# KiCad board USB Cable Tester.kicad_pcb
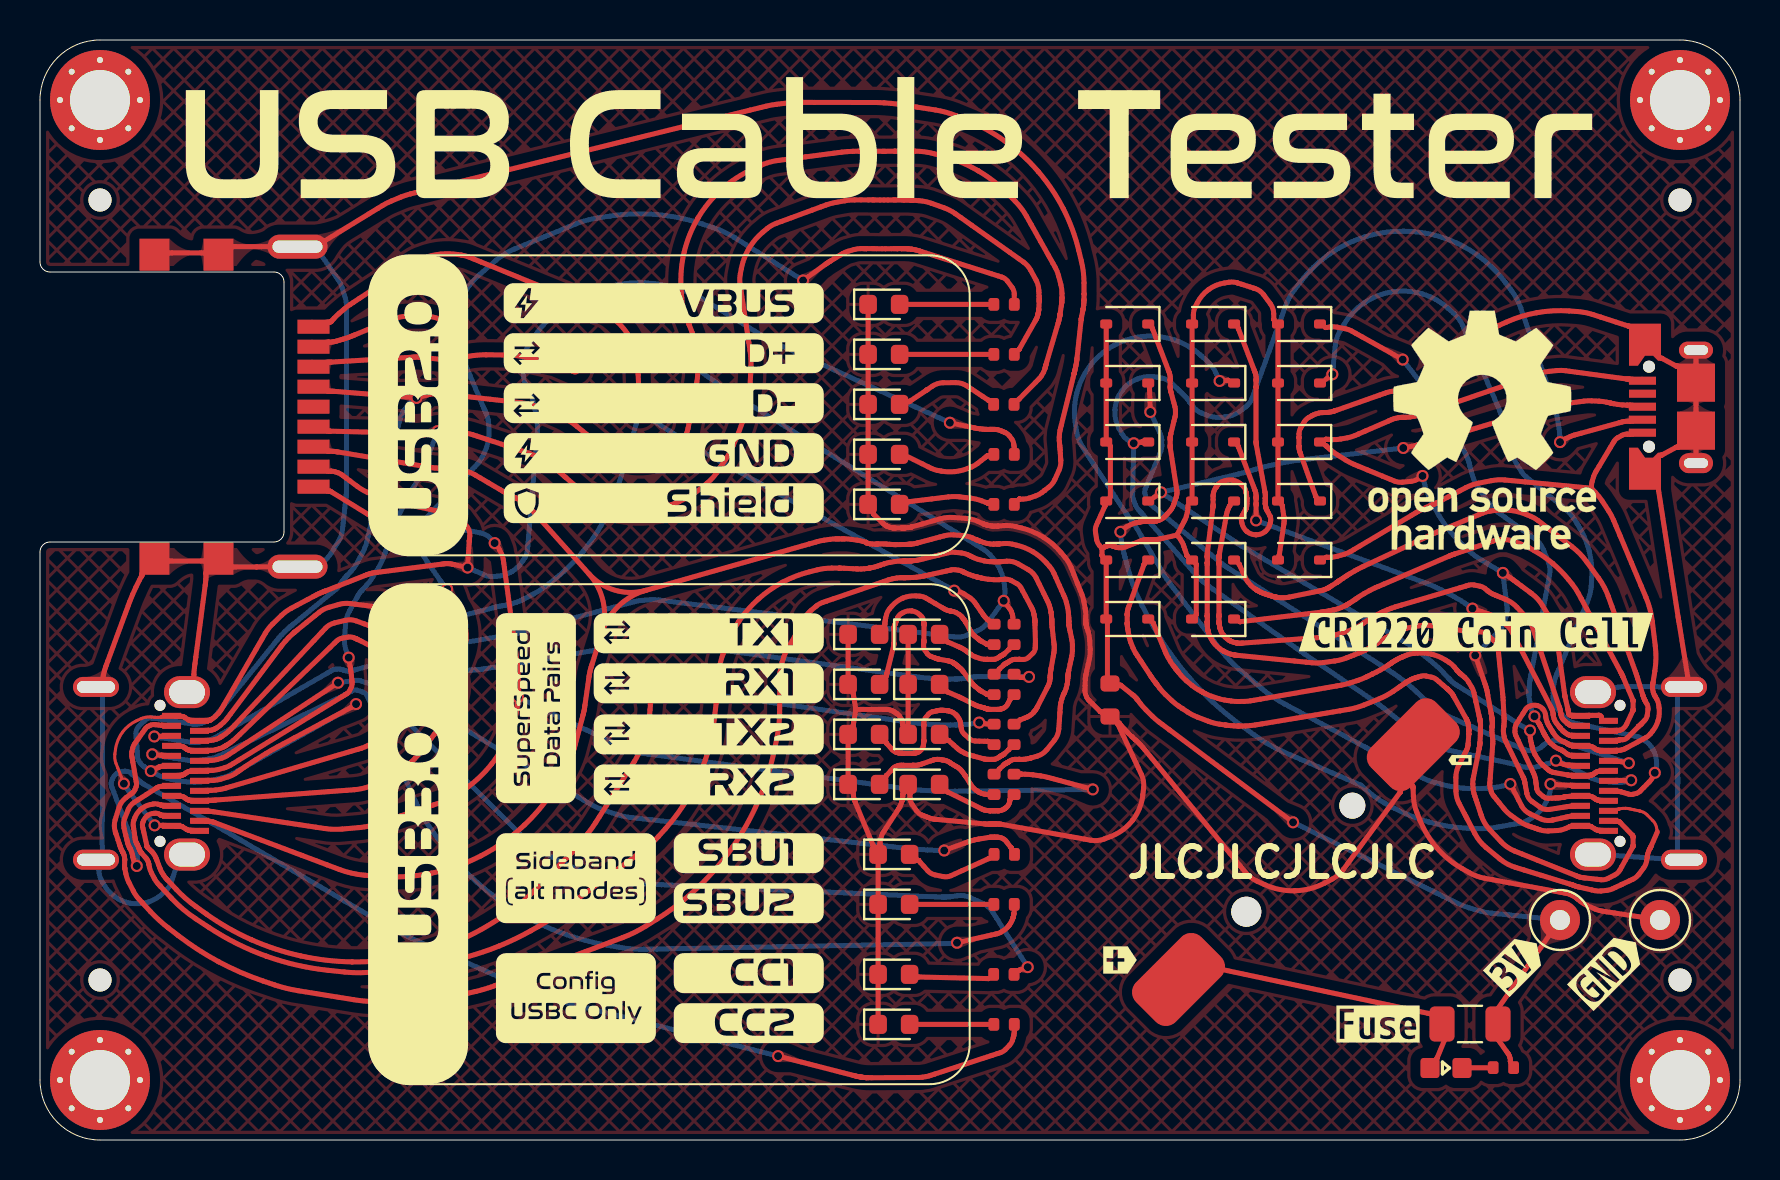
[diagram p0: board, top side]
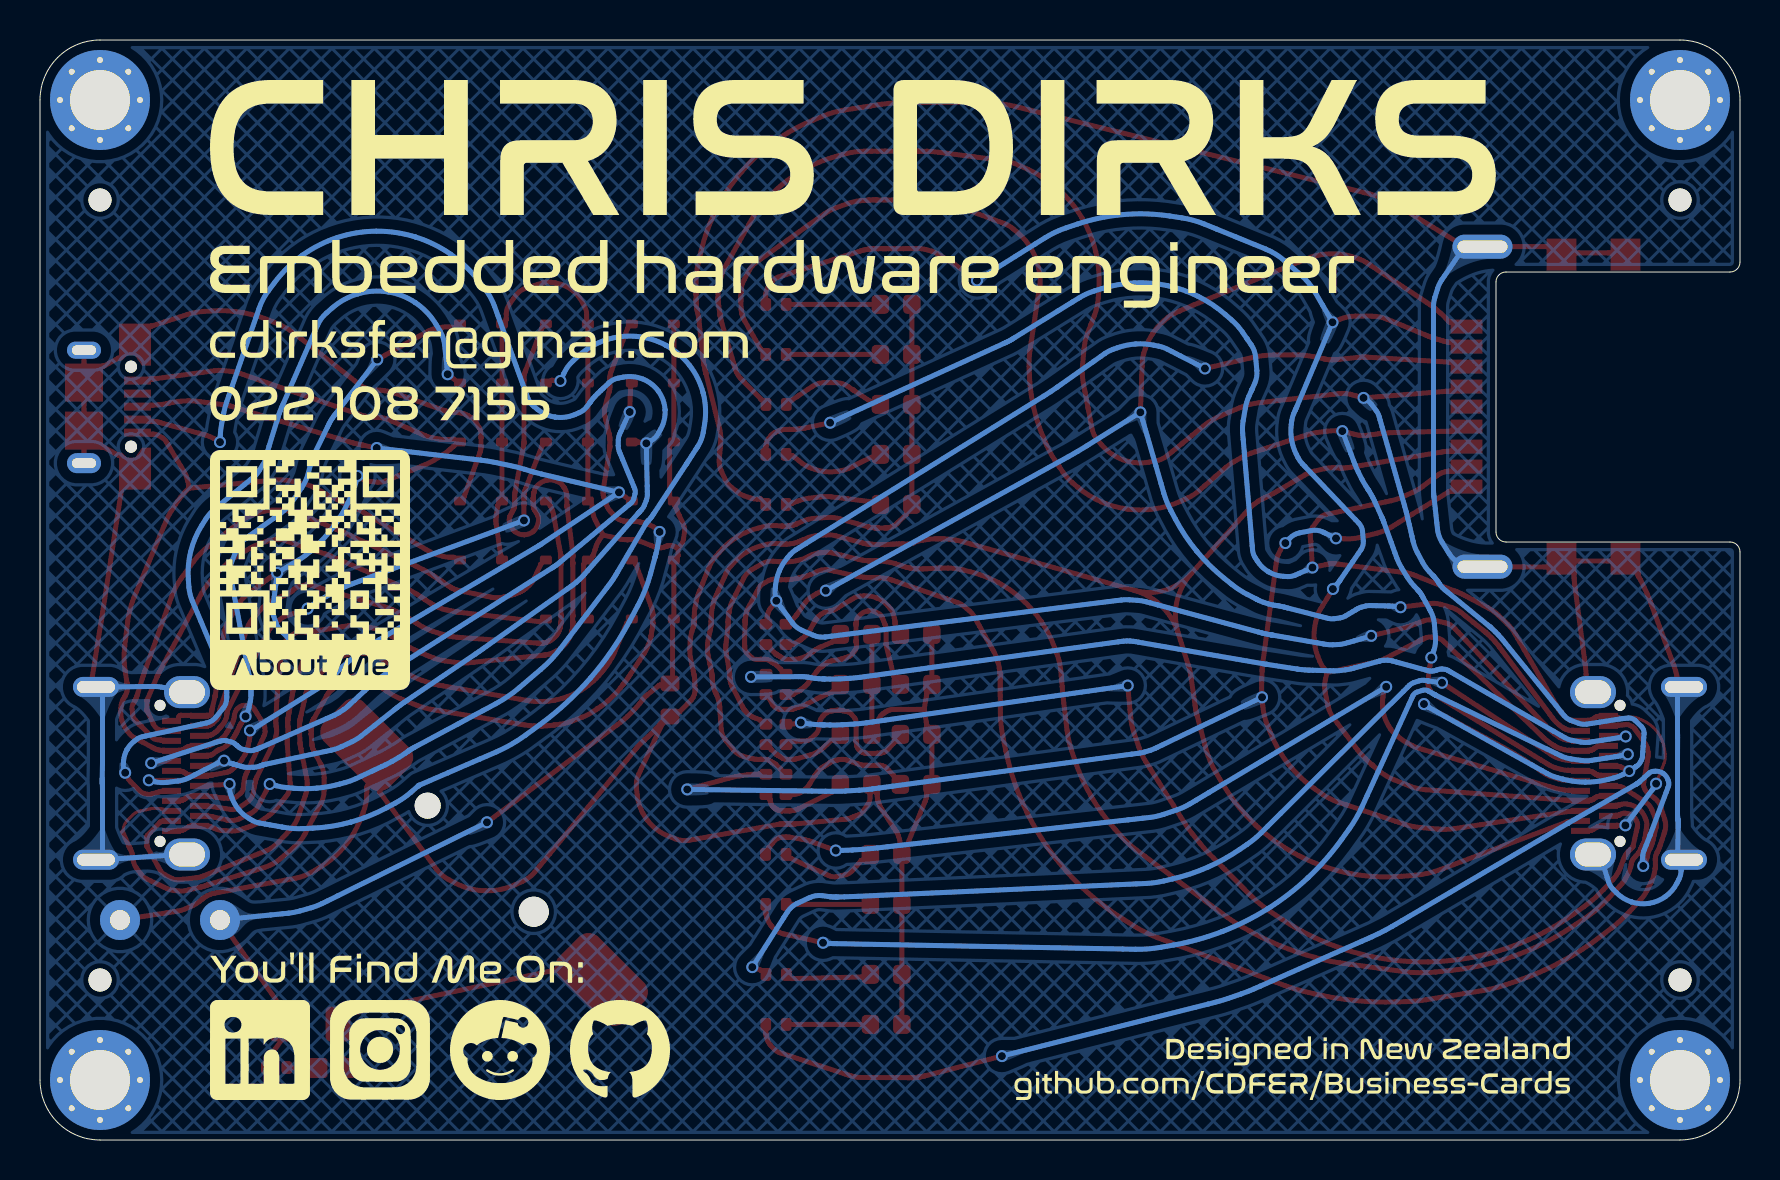
[diagram p1: board, bottom side, seen from below]

Outline 85 x 55 mm; copper layers: Top, Bottom. Coordinates in mm from the lower left corner of the outline.
Outline path: 0,52 arc(0.88,54.12) 3,55 82,55 arc(84.12,54.12) 85,52 85,3 arc(84.12,0.88) 82,0 3,0 arc(0.88,0.88) 0,3 0,29.4 arc(0.15,29.75) 0.5,29.9 11.7,29.9 arc(12.05,30.05) 12.2,30.4 12.2,42.9 arc(12.05,43.25) 11.7,43.4 0.5,43.4 arc(0.15,43.55) 0,43.9 0,52
Stack: Top 0.035mm / dielectric 0.9mm FR4 er 4.5 / Bottom 0.035mm

## Placement (name value [footprint] x y rotation side)
B1  CR1220  [BAT-SMD_BS-12-B2AA002]  62.8 13.9 225 top
C1  0603,10uF,10V,X5R  [0603_1608Metric]  53.5 22 270 top
D1  RB501V-40  [D_SOD-323]  62.95 40.8 180 top
D2  LED  [LED_0603_1608Metric]  41.19 17.78 0 top
D3  LED  [LED_0603_1608Metric]  44.19 17.78 0 top
D4  LED  [LED_0603_1608Metric]  42.19 41.78 0 top
D5  RB501V-40  [D_SOD-323]  58.66 26.05 180 top
D6  RB501V-40  [D_SOD-323]  54.36 26.05 180 top
D7  RB501V-40  [D_SOD-323]  62.95 37.85 180 top
D8  LED  [LED_0603_1608Metric]  41.19 20.28 0 top
D9  RB501V-40  [D_SOD-323]  62.95 34.9 180 top
D10  LED  [LED_0603_1608Metric]  44.19 22.78 0 top
D11  LED  [LED_0603_1608Metric]  41.19 22.78 0 top
D12  RB501V-40  [D_SOD-323]  58.66 31.95 180 top
D13  LED  [LED_0603_1608Metric]  44.19 20.28 0 top
D14  LED  [LED_0603_1608Metric]  42.19 34.28 0 top
D15  RB501V-40  [D_SOD-323]  54.36 31.95 180 top
D16  LED  [LED_0603_1608Metric]  42.19 36.78 0 top
D17  RB501V-40  [D_SOD-323]  58.66 29 180 top
D18  LED  [LED_0603_1608Metric]  42.19 31.78 0 top
D19  RB501V-40  [D_SOD-323]  62.95 29 180 top
D20  RB501V-40  [D_SOD-323]  58.66 34.9 180 top
D21  RB501V-40  [D_SOD-323]  58.66 40.8 180 top
D22  RB501V-40  [D_SOD-323]  58.66 37.85 180 top
D23  LED  [LED_0603_1608Metric]  41.19 25.28 0 top
D24  RB501V-40  [D_SOD-323]  54.36 37.85 180 top
D25  RB501V-40  [D_SOD-323]  54.36 40.8 180 top
D26  RB501V-40  [D_SOD-323]  62.95 31.95 180 top
D27  LED  [LED_0603_1608Metric]  42.19 39.28 0 top
D28  RB501V-40  [D_SOD-323]  54.36 34.9 180 top
D29  RB501V-40  [D_SOD-323]  54.36 29 180 top
D30  LED  [LED_0603_1608Metric]  44.19 25.28 0 top
D31  LED  [LED_0603_1608Metric]  42.69 8.28 0 top
D32  LED  [LED_0603_1608Metric]  42.69 11.78 0 top
D33  LED  [LED_0603_1608Metric]  42.69 14.28 0 top
D34  LED  [LED_0603_1608Metric]  42.69 5.78 0 top
F1  1.5A Resettable Fuse  [Fuse_1206_3216Metric]  71.5 5.8 180 top
J1  USB3_A  [USB-A-SMD_HC-USB3.0-C225-P]  9.7 36.67 270 top
J2  USB_C_Receptacle  [TYPE-C-SMD_C9900025773]  5.39 18.33 270 top
J3  USB_B_Micro  [USB_Micro-B_XKB_U254-051T-4BH83-F1S]  82.41 36.67 90 top
J4  USB_C_Receptacle  [TYPE-C-SMD_C9900025773]  79.61 18.33 90 top
JLC1  -  [MountingHole_2.1mm]  82 47 0 top
JLC1#2  -  [MountingHole_2.1mm]  3 8 0 top
JLC1#3  -  [MountingHole_2.1mm]  82 8 0 top
JLC1#4  -  [MountingHole_2.1mm]  3 47 0 top
kibuzzard-668C5C99  G***  [kibuzzard-668C5C99]  66.9 5.8 0 top
kibuzzard-668C6B90  G***  [kibuzzard-668C6B90]  54 9 0 top
kibuzzard-668C6BA4  G***  [kibuzzard-668C6BA4]  71 19 180 top
kibuzzard-668C577E  G***  [kibuzzard-668C577E]  71.8 25.4 0 top
kibuzzard-668C5808  G***  [kibuzzard-668C5808]  78.4 8.5 45 top
kibuzzard-668C5838  G***  [kibuzzard-668C5838]  73.82 8.82 45 top
LED1  0603,Red  [LED0603]  70.3 3.6 180 top
M4  -  [MountingHole_3.2mm_M3]  3 52 90 top
M4#2  -  [MountingHole_3.2mm_M3]  82 52 90 top
M4#3  -  [MountingHole_3.2mm_M3]  82 3 90 top
M4#4  -  [MountingHole_3.2mm_M3]  3 3 90 top
R1  0402,150  [0402_1005Metric]  48.2 39.28 180 top
R2  0402,150  [0402_1005Metric]  47.7 22.78 270 top
R3  0402,150  [0402_1005Metric]  48.7 17.78 270 top
R4  0402,150  [0402_1005Metric]  48.2 41.78 180 top
R5  0402,150  [0402_1005Metric]  48.7 20.28 270 top
R6  0402,150  [0402_1005Metric]  48.7 25.28 270 top
R7  0402,150  [0402_1005Metric]  47.7 25.28 270 top
R8  0402,150  [0402_1005Metric]  48.19 36.78 180 top
R9  0402,150  [0402_1005Metric]  48.7 22.78 270 top
R10  0402,150  [0402_1005Metric]  47.7 17.78 270 top
R11  0402,150  [0402_1005Metric]  47.7 20.28 270 top
R12  0402,150  [0402_1005Metric]  48.2 34.28 180 top
R13  0402,150  [0402_1005Metric]  48.2 31.78 180 top
R14  0402,150  [0402_1005Metric]  48.2 11.78 180 top
R15  0402,150  [0402_1005Metric]  48.19 8.28 180 top
R16  0402,150  [0402_1005Metric]  48.2 5.78 180 top
R17  0402,150  [0402_1005Metric]  48.21 14.28 180 top
R18  0402,330  [0402_1005Metric]  73.17 3.62 180 top
REF**  -  [OSHW-Logo_11.4x12mm_SilkScreen]  72.1 35.5 0 top
TP1  3V0  [TestPoint_Loop_D1.80mm_Drill1.0mm_Beaded]  76 11 90 top
TP2  GND  [TestPoint_Loop_D1.80mm_Drill1.0mm_Beaded]  81 11 90 top

## Library data of the parts
B1 = -: Datasheet: https://atta.szlcsc.com/upload/public/pdf/source/20201231/C964721_199C6EC0B9FA2987F2BCCA5E127C88A0.pdf; LCSC: C964721; Field5: REF**
C1 = -: Datasheet: https://datasheet.lcsc.com/lcsc/1810191219_Samsung-Electro-Mechanics-CL10A106KP8NNNC_C19702.pdf; Description: 10V 10uF X5R   10% 0603 Multilayer Ceramic Capacitors MLCC - SMD SMT ROHS; LCSC: C19702; MFG: Samsung Electro-Mechanics; MFGPN: CL10A106KP8NNNC
D1 D5 D7 D9 D12 D17 D19-D22 D26 = -: Description: Diode; Sim.Device: D; Sim.Pins: 1=K 2=A; LCSC: C7502717; ki_fp_filters: TO-???* *_Diode_* *SingleDiode* D_*
D2-D4 D8 D10 D11 D13 D14 D16 D18 D23 D27 D30-D34 = -: Description: Light emitting diode; LCSC: C2986059; ki_fp_filters: LED* LED_SMD:* LED_THT:*
D6 D15 D24 D25 D28 D29 = -: Description: Diode; LCSC: C7502717; Sim.Device: D; Sim.Pins: 1=K 2=A; ki_fp_filters: TO-???* *_Diode_* *SingleDiode* D_*
F1 = -: Description: Resettable fuse, polymeric positive temperature coefficient; LCSC: C2838983; ki_fp_filters: *polyfuse* *PTC*
J1 = -: Description: USB 3.0 A connector; LCSC: C7501855; Field5: REF**; ki_fp_filters: USB3*
J2 J4 = -: Datasheet: https://www.usb.org/sites/default/files/documents/usb_type-c.zip; Description: USB Full-Featured Type-C Receptacle connector; LCSC: C5156605; Field5: REF**; ki_fp_filters: USB*C*Receptacle*
J3 = -: Description: USB Micro Type B connector; LCSC: C2682231; ki_fp_filters: USB*
LED1 = -: Datasheet: https://item.szlcsc.com/347874.html; LCSC: C2286; Field5: REF**
R1-R17 = -: Datasheet: https://datasheet.lcsc.com/lcsc/2110252230_UNI-ROYAL-Uniroyal-Elec-0402WGF1500TCE_C25082.pdf; Description: 1% 1 16W Thick Film Resistors 50V   100ppm    -55    155   150   0402 Chip Resistor - Surface Mount ROHS; LCSC: C25082; MFG: UNI-ROYAL(Uniroyal Elec); MFGPN: 0402WGF1500TCE
R18 = -: Datasheet: https://datasheet.lcsc.com/lcsc/2110252230_UNI-ROYAL-Uniroyal-Elec-0402WGF3300TCE_C25104.pdf; Description: 1% 1 16W Thick Film Resistors 50V   100ppm    -55    155   330   0402 Chip Resistor - Surface Mount ROHS; LCSC: C25104; MFG: UNI-ROYAL(Uniroyal Elec); MFGPN: 0402WGF3300TCE
TP1 TP2 = -: Description: test point (alternative probe-style design); ki_fp_filters: Pin* Test*

## Footprints (pads in the part's own frame, mm; a bottom-side part is the same pattern mirrored in y, then rotated)
0402_1005Metric
  rrect 0.54x0.64 smd: 1(-0.51,0) 2(0.51,0)
0603_1608Metric
  rrect 0.8x0.95 smd: 1(-0.825,0) 2(0.825,0)
BAT-SMD_BS-12-B2AA002
  round 1.3 hole 1.3 unplated: (-3.99,0)
  round 1.5 hole 1.5 unplated: (3.51,0)
  rrect 4.6x2.8 smd: 1(8.3,0) 2(-8.3,0)
D_SOD-323
  rrect 0.6x0.45 smd: 1(-1.05,0) 2(1.05,0)
Fuse_1206_3216Metric
  rrect 1.25x1.75 smd: 1(-1.4,0) 2(1.4,0)
LED0603
  rrect 0.95x1 smd: 1(-0.8,0) 2(0.8,0)
LED_0603_1608Metric
  rrect 0.875x0.95 smd: 1(-0.787,0) 2(0.787,0)
MountingHole_2.1mm
  round 1.152 hole 1.152 unplated: (0,0)
MountingHole_3.2mm_M3
  round 0.4 hole 0.3: (-2,0) (-1.414,1.414) (-1.414,-1.414) (0,2) (0,-2) (1.414,1.414) (1.414,-1.414) (2,0)
  round 5 hole 3: (0,0)
TestPoint_Loop_D1.80mm_Drill1.0mm_Beaded
  round 2 hole 1: 1(0,0)
TYPE-C-SMD_C9900025773
  round 0.55 hole 0.55 unplated: (-3.4,0.612) (3.4,0.612)
  rect 0.3x0.95 smd: A1(-2.625,2.588) A2(-2.125,2.588) A3(-1.625,2.588) A4(-1.125,2.588) A5(-0.625,2.588) A6(-0.125,2.588) A7(0.375,2.588) A8(0.875,2.588) A9(1.375,2.588) A10(1.875,2.588) A11(2.375,2.588) A12(2.875,2.588) B1(2.625,1.188) B2(2.125,1.188) B3(1.625,1.188) B4(1.125,1.188) B5(0.625,1.188) B6(0.125,1.188) B7(-0.375,1.188) B8(-0.875,1.188) B9(-1.375,1.188) B10(-1.875,1.188) B11(-2.375,1.188) B12(-2.875,1.188)
  oval 1x2.3 hole 0.6x1.9: S1(-4.32,-2.588) S1(4.32,-2.588)
  oval 1.6x2.3 hole 1.2x1.8: S1(-4.06,1.962) S1(4.06,1.962)
USB-A-SMD_HC-USB3.0-C225-P
  rect 0.7x1.6 smd: 1(-3,3.975) 2(-1,3.975) 3(1,3.975) 4(3,3.975) 5(4,3.975) 6(2,3.975) 7(0,3.975) 8(-2,3.975) 9(-4,3.975)
  oval 1.2x3 hole 0.61x2.5: 10(-8,3.175) 10(8,3.175)
  rect 1.6x1.5 smd: 10(-7.6,-0.775) 10(-7.6,-3.975) 10(7.6,-0.775) 10(7.6,-3.975)
USB_Micro-B_XKB_U254-051T-4BH83-F1S
  round 0.6 hole 0.6 unplated: (-2,1.96) (2,1.96)
  rect 0.4x1.35 smd: 1(-1.3,2.285) 2(-0.65,2.285) 3(0,2.285) 4(0.65,2.285) 5(1.3,2.285)
  custom 2.1x1.6 smd: 6(-3.1,2.16) 6(3.1,2.16)
  oval 1x1.7 hole 0.5x1.2: 6(-2.825,-0.39)
  rect 1.9x1.9 smd: 6(-1.2,-0.39) 6(1.2,-0.39)
  oval 0.85x1.7 hole 0.5x1.2: 6(2.825,-0.39)

## Nets
+3V0: C1.1 D1.2 D5.2 D6.2 D7.2 D9.2 D12.2 D15.2 D17.2 D19.2 D20.2 D21.2 D22.2 D24.2 D25.2 D26.2 D28.2 D29.2 F1.1 R18.1 TP1.1
/GND_Drain: J1.7
/VBUS: J1.1 J2.A4 J2.A9 J2.B4 J2.B9 R4.1
GND: B1.2 C1.2 D2.1 D3.1 D4.1 D8.1 D10.1 D11.1 D13.1 D14.1 D16.1 D18.1 D23.1 D27.1 D30.1 D31.1 D32.1 D33.1 D34.1 TP2.1
/CC1: J2.A5 R15.1
/CC2: J2.B5 R16.1
/D+: J1.3 J2.A6 J2.B6 R1.1
/D-: J1.2 J2.A7 J2.B7 R8.1
/RX1+: J2.B11 R2.1
/RX1-: J2.B10 R9.1
/RX2+: J1.6 J2.A11 R10.1
/RX2-: J1.5 J2.A10 R3.1
/SBU1: J2.A8 R17.1
/SBU2: J2.B8 R14.1
/SHLD: J1.10 J2.S1 R13.1
/TX1+: J1.9 J2.A2 R7.1
/TX1-: J1.8 J2.A3 R6.1
/TX2+: J2.B2 R11.1
/TX2-: J2.B3 R5.1
/USB_GND: J1.4 J2.A1 J2.A12 J2.B1 J2.B12 R12.1
Net-(B1-+): B1.1 F1.2 LED1.2
Net-(D1-K): D1.1 J4.A8
Net-(D2-A): D2.2 R10.2
Net-(D3-A): D3.2 R3.2
Net-(D4-A): D4.2 R4.2
Net-(D5-K): D5.1 J4.B2
Net-(D6-K): D6.1 J4.B11
Net-(D7-K): D7.1 J4.B8
Net-(D8-A): D8.2 R11.2
Net-(D9-K): D9.1 J3.5 J4.A1 J4.A12 J4.B1 J4.B12
Net-(D10-A): D10.2 R9.2
Net-(D11-A): D11.2 R2.2
Net-(D12-K): D12.1 J4.A11
Net-(D13-A): D13.2 R5.2
Net-(D14-A): D14.2 R12.2
Net-(D15-K): D15.1 J3.3 J4.A6 J4.B6
Net-(D16-A): D16.2 R8.2
Net-(D17-K): D17.1 J4.B3
Net-(D18-A): D18.2 R13.2
Net-(D19-K): D19.1 J3.1 J4.A4 J4.A9 J4.B4 J4.B9
Net-(D20-K): D20.1 J4.A10
Net-(D21-K): D21.1 J4.A3
Net-(D22-K): D22.1 J4.A2
Net-(D23-A): D23.2 R7.2
Net-(D24-K): D24.1 J4.B5
Net-(D25-K): D25.1 J4.A5
Net-(D26-K): D26.1 J3.6 J4.S1
Net-(D27-A): D27.2 R1.2
Net-(D28-K): D28.1 J3.2 J4.A7 J4.B7
Net-(D29-K): D29.1 J4.B10
Net-(D30-A): D30.2 R6.2
Net-(D31-A): D31.2 R15.2
Net-(D32-A): D32.2 R14.2
Net-(D33-A): D33.2 R17.2
Net-(D34-A): D34.2 R16.2
Net-(LED1-K): LED1.1 R18.2

Pads without a net: J3 4

## Via types
v1: diameter 0.6, hole 0.4, Top to Bottom, 57 vias

## Routing (per net, layer and track width the routed paths; a pad name or vN(x,y) marks a point on that pad's centre or on a via; arc(x,y) is an arc through that point)
+3V0: length 80.6
  Top w0.25: 56.85,30.25 57.24,31 arc(57.29,31.1) 57.32,31.2 57.37,31.41 arc(57.39,31.51) 57.4,31.62 57.4,31.73 ; 56.85,30.25 arc(56.85,30.25) 56.84,30.24 ; 56.85,30.25 arc(56.85,30.25) 56.85,30.24 ; 53.52,34.68 53.52,34.68 arc(53.52,34.67) 53.52,34.67 53.52,32.18 arc(53.52,32.18) 53.52,32.17 53.52,32.17 ; 53.31,40.57 53.31,38.08 ; 57.6,34.67 57.6,32.18 ; 53.25,31.72 53.25,31.72 arc(53.25,31.71) 53.25,31.7 53.24,31.69 arc(53.24,31.69) 53.24,31.68 arc(53.24,31.67) 53.23,31.67 52.82,30.74 arc(52.77,30.57) 52.77,30.4 52.83,30.04 arc(52.88,29.87) 52.98,29.72 53.1,29.59 arc(53.1,29.59) 53.1,29.58 ; 57.81,26.27 57.81,26.27 arc(57.81,26.28) 57.81,26.28 57.81,28.77 arc(57.81,28.77) 57.81,28.78 57.81,28.78 ; 53.37,23.23 53.37,25.82 ; 62.11,31.73 62.2,31.13 arc(62.2,31.08) 62.2,31.03 62.2,30.93 arc(62.2,30.88) 62.2,30.82 62.17,30.67 61.96,29.25 arc(61.96,29.24) 61.96,29.24 arc(61.96,29.24) 61.96,29.24 61.96,29.23 arc(61.96,29.23) 61.96,29.23 61.96,29.23 ; 73.52,3.94 73.52,3.99 arc(73.51,4.04) 73.5,4.1 73.47,4.2 arc(73.45,4.25) 73.42,4.3 72.81,5.14 ; 61.69,41.02 61.69,41.02 arc(61.69,41.03) 61.69,41.03 61.69,41.03 arc(61.69,41.03) 61.69,41.04 61.69,41.31 arc(61.64,41.58) 61.51,41.82 61.18,42.26 arc(60.99,42.45) 60.75,42.57 59.87,42.85 arc(59.66,42.9) 59.44,42.89 59.22,42.85 arc(58.81,42.73) 58.43,42.52 arc(58.11,42.22) 57.87,41.86 57.77,41.67 arc(57.69,41.46) 57.67,41.25 57.67,41.03 ; 53.1,29.58 53.12,29.6 arc(53.13,29.6) 53.14,29.61 53.17,29.63 arc(53.18,29.63) 53.19,29.64 53.36,29.7 arc(53.4,29.71) 53.44,29.72 53.52,29.72 arc(53.56,29.72) 53.6,29.71 53.68,29.69 arc(53.68,29.69) 53.69,29.68 arc(53.69,29.68) 53.7,29.68 53.71,29.68 arc(53.71,29.68) 53.72,29.68 arc(53.72,29.67) 53.72,29.67 53.73,29.67 arc(53.73,29.67) 53.74,29.67 53.8,29.64 arc(53.87,29.62) 53.94,29.61 54.09,29.61 arc(54.17,29.62) 54.24,29.64 54.45,29.72 55.09,29.98 arc(55.13,29.99) 55.16,30 55.24,30.01 arc(55.27,30.02) 55.31,30.02 55.6,30.02 arc(55.61,30.02) 55.61,30.02 55.67,30.02 arc(55.72,30.02) 55.77,30.02 55.87,30.03 arc(55.92,30.04) 55.97,30.05 56.12,30.08 56.84,30.24 ; 53.1,29.58 arc(53.1,29.58) 53.1,29.58 ; 53.1,29.58 arc(53.1,29.58) 53.1,29.58 ; 53.98,22.75 53.99,22.75 arc(54,22.75) 54.01,22.75 54.03,22.74 arc(54.04,22.74) 54.05,22.73 54.69,22.21 arc(54.72,22.19) 54.74,22.17 54.79,22.12 arc(54.81,22.09) 54.83,22.07 55.01,21.84 arc(55.15,21.66) 55.3,21.5 55.61,21.19 arc(55.78,21.04) 55.95,20.9 56.48,20.5 v1(62.65,15.88) ; 61.9,34.67 61.9,32.18 ; 53.31,26.28 53.31,28.77 ; 57.6,37.62 57.6,35.13 ; 61.9,40.57 61.9,38.08 ; 53.1,29.58 53.1,29.23 arc(53.1,29.23) 53.1,29.22 53.1,29.22 ; 53.1,29.58 arc(53.1,29.58) 53.1,29.58 ; 72.81,6.46 TP1.1 ; 53.31,37.62 53.31,35.13 ; 56.84,30.24 arc(56.85,30.24) 56.85,30.24 ; 61.9,37.62 61.9,35.13 ; 57.36,29.2 57.36,29.21 arc(57.36,29.21) 57.35,29.21 arc(57.35,29.21) 57.35,29.21 57.17,29.74 arc(57.14,29.82) 57.1,29.9 57.01,30.04 arc(56.97,30.11) 56.91,30.18 56.86,30.23 arc(56.85,30.24) 56.85,30.24 ; 57.6,40.57 57.6,38.08
  Bottom w0.25: v1(62.65,15.88) 70.11,12.21 70.9,11.82 arc(71.16,11.7) 71.44,11.61 72,11.45 arc(72.29,11.38) 72.58,11.34 TP1.1
/VBUS: length 93.9
  Top w0.25: J2.B9 6.86,19.69 arc(6.93,19.68) 6.99,19.68 7.06,19.68 arc(7.06,19.68) 7.06,19.68 7.07,19.68 arc(7.08,19.68) 7.08,19.68 arc(7.08,19.68) 7.09,19.68 7.15,19.66 arc(7.17,19.65) 7.19,19.64 7.23,19.62 arc(7.24,19.61) 7.26,19.6 7.27,19.59 arc(7.27,19.58) 7.28,19.58 arc(7.28,19.58) 7.28,19.58 7.29,19.57 arc(7.31,19.55) 7.33,19.54 7.36,19.52 arc(7.38,19.51) 7.4,19.51 7.47,19.49 arc(7.48,19.49) 7.48,19.48 7.49,19.48 arc(7.49,19.48) 7.5,19.48 7.56,19.48 arc(7.63,19.48) 7.69,19.48 7.8,19.47 arc(7.98,19.46) 8.15,19.47 8.26,19.48 arc(8.33,19.48) 8.39,19.48 8.56,19.48 arc(8.67,19.49) 8.78,19.51 8.99,19.57 arc(9.09,19.61) 9.19,19.66 9.37,19.76 arc(9.45,19.81) 9.52,19.86 9.66,19.97 arc(9.73,20.03) 9.8,20.09 9.99,20.28 14.51,24.64 14.84,24.96 arc(14.96,25.04) 15.1,25.09 15.41,25.14 arc(15.56,25.15) 15.7,25.11 15.85,25.05 arc(15.85,25.04) 15.86,25.04 15.92,25.01 arc(15.99,24.98) 16.06,24.94 17.75,24.07 17.87,24.01 arc(17.91,23.99) 17.95,23.97 18.03,23.94 arc(18.07,23.93) 18.11,23.92 18.24,23.89 20.16,23.48 20.3,23.45 arc(20.35,23.44) 20.4,23.43 20.5,23.41 arc(20.54,23.4) 20.59,23.39 20.64,23.39 arc(20.64,23.39) 20.64,23.39 ; 20.65,23.39 20.8,23.57 arc(20.92,23.75) 21.02,23.95 21.1,24.16 arc(21.23,24.58) 21.29,25.02 arc(21.29,25.47) 21.21,25.9 21.16,26.12 arc(21.09,26.33) 20.99,26.53 20.64,27.09 v1(20.36,27.55) ; 20.65,23.39 arc(20.64,23.39) 20.64,23.39 ; 20.65,23.39 arc(20.65,23.39) 20.65,23.38 ; v1(38.15,42.98) 39.33,43.82 arc(39.35,43.84) 39.37,43.85 39.42,43.88 arc(39.44,43.9) 39.46,43.91 40.12,44.31 arc(40.26,44.39) 40.41,44.44 40.72,44.53 arc(40.87,44.56) 41.03,44.57 41.21,44.57 arc(41.23,44.57) 41.25,44.57 41.25,44.57 arc(41.27,44.57) 41.29,44.57 41.3,44.57 arc(41.31,44.57) 41.31,44.57 41.6,44.57 arc(41.62,44.57) 41.65,44.57 arc(41.67,44.57) 41.7,44.57 41.82,44.56 arc(41.96,44.56) 42.11,44.56 42.28,44.56 arc(42.42,44.56) 42.57,44.56 42.68,44.57 arc(42.71,44.57) 42.74,44.57 42.75,44.57 arc(42.77,44.57) 42.78,44.57 arc(42.8,44.57) 42.82,44.57 42.83,44.57 arc(42.85,44.57) 42.86,44.57 42.88,44.57 arc(42.88,44.57) 42.88,44.57 43.08,44.57 arc(43.08,44.57) 43.08,44.57 43.1,44.57 arc(43.12,44.57) 43.13,44.57 43.14,44.57 arc(43.16,44.57) 43.18,44.57 43.22,44.57 arc(43.24,44.57) 43.26,44.57 43.3,44.57 arc(43.32,44.57) 43.34,44.56 arc(43.36,44.56) 43.38,44.56 43.38,44.56 arc(43.4,44.56) 43.42,44.56 43.43,44.56 arc(43.45,44.56) 43.48,44.55 43.53,44.55 arc(43.56,44.54) 43.58,44.54 43.69,44.52 arc(43.74,44.51) 43.78,44.5 43.86,44.49 arc(43.9,44.47) 43.94,44.46 44.07,44.42 47.55,43.32 48.09,43.15 arc(48.25,43.06) 48.38,42.94 48.6,42.63 arc(48.68,42.47) 48.71,42.29 48.71,42.1 ; J2.B4 6.86,17.19 arc(6.93,17.18) 6.99,17.18 7.06,17.18 arc(7.06,17.18) 7.06,17.18 7.07,17.18 arc(7.08,17.18) 7.08,17.18 arc(7.08,17.18) 7.09,17.18 7.11,17.17 arc(7.13,17.17) 7.15,17.16 arc(7.17,17.15) 7.19,17.14 7.23,17.12 arc(7.24,17.11) 7.26,17.1 7.27,17.09 arc(7.27,17.09) 7.28,17.08 arc(7.28,17.08) 7.28,17.08 7.29,17.07 arc(7.31,17.05) 7.33,17.04 7.36,17.02 arc(7.38,17.01) 7.4,17.01 arc(7.42,17) 7.44,17 7.47,16.99 arc(7.48,16.99) 7.48,16.99 7.49,16.98 arc(7.49,16.98) 7.5,16.98 arc(7.5,16.98) 7.51,16.98 7.56,16.98 arc(7.63,16.98) 7.69,16.98 7.8,16.97 arc(7.98,16.96) 8.15,16.97 8.26,16.98 arc(8.33,16.98) 8.39,16.98 8.48,16.98 arc(8.52,16.98) 8.55,16.98 8.62,16.99 arc(8.65,16.99) 8.69,16.99 8.79,17 14.46,17.42 15.72,17.51 arc(16.13,17.58) 16.53,17.7 17.31,18.02 arc(17.69,18.21) 18.03,18.45 18.35,18.71 arc(18.35,18.72) 18.36,18.72 arc(18.36,18.72) 18.36,18.73 18.41,18.77 arc(18.42,18.77) 18.42,18.78 18.53,18.87 arc(18.64,18.97) 18.74,19.07 18.94,19.28 arc(19.03,19.39) 19.12,19.5 19.38,19.85 20.33,21.1 arc(20.5,21.39) 20.6,21.71 20.74,22.37 arc(20.77,22.71) 20.73,23.04 20.65,23.38 ; 13.68,39.67 14.29,39.87 arc(14.35,39.89) 14.41,39.89 14.51,39.89 arc(14.55,39.89) 14.59,39.9 14.67,39.91 arc(14.71,39.92) 14.75,39.92 15.18,40.05 arc(15.24,40.07) 15.3,40.09 15.43,40.13 arc(15.49,40.15) 15.55,40.18 17.27,40.89 17.64,41.04 arc(18.02,41.15) 18.41,41.19 19.21,41.19 arc(19.6,41.16) 19.98,41.05 v1(20.37,40.89) ; 20.65,23.38 arc(20.64,23.39) 20.64,23.39
  Bottom w0.25: v1(20.36,27.55) 20.35,27.55 arc(20.35,27.55) 20.34,27.56 20.33,27.57 arc(20.32,27.59) 20.3,27.6 20.27,27.64 arc(20.25,27.65) 20.24,27.67 20.14,27.79 arc(20.12,27.82) 20.1,27.84 20.06,27.9 arc(20.04,27.92) 20.02,27.95 19.97,28.03 19.09,29.32 18.95,29.52 arc(18.86,29.72) 18.84,29.95 18.87,30.43 arc(18.93,30.65) 19.06,30.84 19.55,31.36 21.88,33.81 arc(22,33.96) 22.1,34.12 22.19,34.29 arc(22.33,34.64) 22.42,35.01 arc(22.46,35.39) 22.44,35.77 22.41,35.96 arc(22.38,36.15) 22.31,36.33 22.22,36.52 arc(22.22,36.53) 22.21,36.54 22.2,36.58 arc(22.17,36.64) 22.15,36.69 v1(20.37,40.89) 21.26,42.41 arc(21.57,42.86) 21.96,43.25 22.79,43.98 arc(23.23,44.3) 23.72,44.55 25.22,45.16 26.78,45.8 arc(27.34,45.99) 27.91,46.11 28.49,46.2 arc(29.66,46.3) 30.84,46.27 arc(32,46.1) 33.13,45.8 33.69,45.61 arc(34.23,45.39) 34.75,45.11 36.25,44.17 v1(38.15,42.98)
GND: length 99.8
  Top w0.25: 40.67,22.31 40.67,22.31 arc(40.67,22.3) 40.67,22.3 40.67,22.29 arc(40.67,22.28) 40.67,22.27 40.67,22.25 arc(40.67,22.23) 40.68,22.22 arc(40.68,22.21) 40.68,22.2 40.79,21.54 ; 41.41,36.31 41.41,34.76 ; 41.91,8.76 41.91,11.31 ; 41.41,38.81 41.41,37.26 ; 40.79,21.53 40.68,20.84 arc(40.67,20.83) 40.67,20.82 40.67,20.79 arc(40.67,20.78) 40.67,20.77 40.67,20.76 arc(40.67,20.76) 40.67,20.76 arc(40.67,20.75) 40.67,20.75 40.67,20.75 ; 40.79,21.53 arc(40.79,21.53) 40.79,21.54 ; 40.79,21.53 arc(40.8,21.53) 40.8,21.53 ; 40.41,24.81 40.41,23.26 ; 43.41,24.81 43.41,23.26 ; 41.91,6.26 41.91,7.81 ; 43.41,22.31 43.41,20.76 ; 41.91,12.26 41.91,13.81 ; 43.14,20.75 43.14,20.75 arc(43.14,20.75) 43.14,20.76 43.14,20.76 arc(43.14,20.76) 43.14,20.77 43.13,20.86 arc(43.12,20.94) 43.08,21.02 42.99,21.18 arc(42.93,21.25) 42.86,21.31 42.67,21.43 arc(42.62,21.46) 42.56,21.48 42.45,21.52 arc(42.4,21.53) 42.34,21.53 42.16,21.53 41.59,21.53 arc(41.59,21.53) 41.58,21.53 arc(41.58,21.53) 41.58,21.53 40.81,21.53 arc(40.81,21.53) 40.8,21.53 40.8,21.53 ; 68.03,17.44 68.03,17.43 arc(68.03,17.43) 68.03,17.42 68.02,17.41 arc(68.02,17.4) 68.02,17.4 68,17.38 65.88,14.49 65.18,13.54 arc(64.91,13.25) 64.59,13.03 64.24,12.85 arc(63.51,12.57) 62.74,12.46 arc(61.97,12.53) 61.23,12.77 60.87,12.93 arc(60.54,13.13) 60.26,13.4 59.5,14.32 55.13,19.65 arc(55.09,19.69) 55.05,19.74 54.97,19.82 arc(54.93,19.86) 54.88,19.91 54.59,20.17 arc(54.5,20.26) 54.4,20.35 54.23,20.54 arc(54.14,20.63) 54.05,20.73 53.97,20.83 arc(53.97,20.83) 53.97,20.83 arc(53.96,20.84) 53.96,20.84 53.95,20.85 arc(53.95,20.86) 53.94,20.86 53.94,20.87 ; 40.8,21.53 arc(40.8,21.53) 40.79,21.54 ; 41.41,41.31 41.41,39.76 ; 53.03,21.41 53.03,21.41 arc(53.03,21.41) 53.03,21.41 arc(53.02,21.42) 53.02,21.42 53.02,21.42 arc(53.02,21.42) 53.01,21.42 arc(53.01,21.42) 53.01,21.43 52.49,21.94 52.43,22 arc(52.38,22.06) 52.34,22.14 52.28,22.3 arc(52.25,22.38) 52.25,22.46 52.27,23.06 arc(52.27,23.07) 52.27,23.09 52.27,23.11 arc(52.27,23.12) 52.27,23.13 arc(52.28,23.14) 52.28,23.15 52.29,23.2 arc(52.29,23.22) 52.29,23.24 arc(52.3,23.26) 52.3,23.28 52.47,24.07 arc(52.51,24.3) 52.51,24.53 52.49,24.99 arc(52.46,25.21) 52.4,25.44 52.32,25.69 arc(52.32,25.7) 52.31,25.72 52.31,25.75 arc(52.3,25.76) 52.3,25.78 52.3,25.8 arc(52.3,25.81) 52.3,25.82 52.3,25.83 arc(52.29,25.84) 52.29,25.85 52.29,25.87 arc(52.29,25.87) 52.29,25.87 arc(52.29,25.88) 52.29,25.89 52.29,25.91 arc(52.29,25.92) 52.29,25.94 52.29,26.2 arc(52.28,26.39) 52.26,26.57 52.19,26.93 arc(52.15,27.11) 52.09,27.29 51.86,27.85 51.55,28.63 arc(51.42,28.89) 51.25,29.14 51.06,29.37 arc(50.64,29.79) 50.17,30.14 arc(49.64,30.41) 49.08,30.6 48.79,30.67 arc(48.5,30.72) 48.2,30.72 47.9,30.7 arc(47.89,30.7) 47.88,30.69 47.86,30.69 arc(47.84,30.69) 47.82,30.69 47.69,30.69 arc(47.67,30.69) 47.65,30.69 47.61,30.7 arc(47.59,30.7) 47.57,30.7 47.44,30.73 arc(47.42,30.73) 47.4,30.73 arc(47.38,30.74) 47.36,30.74 47.31,30.75 arc(47.3,30.76) 47.28,30.76 47.25,30.77 arc(47.24,30.78) 47.22,30.79 46.89,30.93 arc(46.59,31.03) 46.28,31.08 45.65,31.13 arc(45.33,31.12) 45.02,31.06 44.1,30.8 43.6,30.66 arc(43.59,30.66) 43.59,30.65 arc(43.58,30.65) 43.57,30.65 43.53,30.64 arc(43.52,30.64) 43.5,30.63 43.47,30.63 arc(43.46,30.62) 43.44,30.62 43.28,30.61 arc(43.27,30.61) 43.26,30.6 arc(43.25,30.6) 43.24,30.6 43.22,30.6 arc(43.21,30.6) 43.21,30.6 43.18,30.6 arc(43.17,30.6) 43.15,30.6 43.11,30.6 arc(43.1,30.6) 43.09,30.6 43.08,30.6 arc(43.08,30.6) 43.08,30.6 arc(43.08,30.6) 43.08,30.6 42.78,30.6 arc(42.77,30.6) 42.75,30.6 arc(42.74,30.6) 42.73,30.6 42.7,30.6 arc(42.69,30.6) 42.67,30.61 42.62,30.61 arc(42.62,30.61) 42.61,30.61 arc(42.61,30.61) 42.61,30.62 42.59,30.62 arc(42.57,30.62) 42.55,30.62 42.54,30.63 arc(42.51,30.63) 42.48,30.64 42.42,30.66 arc(42.39,30.67) 42.36,30.68 42.28,30.73 arc(42.26,30.74) 42.24,30.76 42.2,30.79 arc(42.18,30.8) 42.16,30.82 41.68,31.29 arc(41.68,31.29) 41.68,31.29 arc(41.67,31.3) 41.67,31.3 41.67,31.3 arc(41.67,31.31) 41.67,31.31 41.67,31.31 arc(41.67,31.31) 41.67,31.31 ; 40.41,18.26 40.41,19.81 ; 41.41,33.81 41.41,32.26 ; TP2.1 78.72,11.35 78.12,11.44 arc(77.93,11.49) 77.74,11.55 77.37,11.72 arc(77.19,11.81) 77.03,11.93 76.88,12.05 arc(76.87,12.05) 76.87,12.06 arc(76.86,12.06) 76.86,12.07 76.8,12.12 arc(76.73,12.17) 76.65,12.21 76.5,12.28 arc(76.42,12.31) 76.33,12.33 73.45,12.86 72.22,13.09 arc(71.83,13.2) 71.46,13.37 71.1,13.57 arc(70.42,14.04) 69.84,14.61 arc(69.36,15.27) 68.99,16.01 68.84,16.39 arc(68.72,16.78) 68.67,17.19 68.65,17.66 arc(68.65,17.67) 68.65,17.68 68.64,17.7 arc(68.63,17.71) 68.62,17.72 68.62,17.73 arc(68.62,17.73) 68.62,17.73 68.61,17.73 ; 41.64,14.75 41.64,14.75 arc(41.64,14.75) 41.64,14.75 41.64,14.75 arc(41.64,14.76) 41.64,14.76 40.78,16.85 40.72,16.98 arc(40.71,17.03) 40.7,17.07 40.68,17.17 arc(40.67,17.22) 40.67,17.26 40.67,17.31 arc(40.67,17.31) 40.67,17.31 ; 42,14.76 42,14.85 arc(42.01,14.94) 42.03,15.03 42.08,15.21 arc(42.11,15.29) 42.15,15.37 42.95,16.59 arc(42.98,16.64) 43,16.69 43.05,16.81 arc(43.07,16.86) 43.09,16.92 43.11,16.98 arc(43.11,16.98) 43.11,16.98 arc(43.11,16.98) 43.11,16.98 43.12,17.02 arc(43.12,17.06) 43.13,17.1 43.14,17.18 arc(43.14,17.22) 43.14,17.26 43.14,17.3 arc(43.14,17.31) 43.14,17.31 43.14,17.31 arc(43.14,17.31) 43.14,17.31 ; 53.88,20.81 53.88,20.81 arc(53.88,20.81) 53.89,20.81 53.89,20.81 arc(53.89,20.81) 53.89,20.8 54.62,19.23 55.07,18.27 arc(55.17,17.95) 55.18,17.61 55.14,17.25 arc(54.98,16.59) 54.64,16 54.64,15.99 arc(54.15,15.51) 53.55,15.18 53.22,15.05 arc(52.89,14.97) 52.55,14.99 51.5,15.17 48.12,15.77 48.09,15.78 arc(48.08,15.78) 48.07,15.78 48.05,15.79 arc(48.04,15.79) 48.02,15.79 arc(48.01,15.79) 48,15.79 47.94,15.8 arc(47.93,15.8) 47.91,15.8 47.88,15.8 arc(47.86,15.8) 47.84,15.8 47.79,15.8 arc(47.78,15.8) 47.77,15.8 arc(47.75,15.8) 47.74,15.8 47.72,15.8 arc(47.71,15.8) 47.7,15.8 arc(47.69,15.8) 47.68,15.8 47.66,15.8 arc(47.65,15.8) 47.64,15.8 arc(47.63,15.8) 47.62,15.8 47.59,15.8 arc(47.58,15.8) 47.57,15.8 arc(47.56,15.8) 47.55,15.8 47.53,15.8 arc(47.51,15.8) 47.5,15.8 arc(47.49,15.8) 47.48,15.8 arc(47.47,15.8) 47.46,15.8 47.45,15.8 arc(47.42,15.8) 47.39,15.8 47.34,15.8 arc(47.32,15.8) 47.29,15.8 47.21,15.81 44.86,16.03 44.72,16.04 arc(44.68,16.05) 44.63,16.06 44.55,16.08 arc(44.5,16.09) 44.46,16.1 44.1,16.25 arc(43.94,16.34) 43.82,16.47 43.61,16.78 arc(43.53,16.94) 43.5,17.12 43.5,17.31